# Altium PCB slave.PcbDoc (part 5 of 5)
Units mil, origin at the board's own origin, x right, y up, seen from the top; angles counter-clockwise.
Board outline 6299.21 x 3937.01 mil, 6 copper layers (Top Copper, FUSED_VBAT-, Signal Layer 2, Signal Layer 3, VREG, Bot Copper), stack 65.749 mil thick; 419 components, 272 nets, 1250 pads, 1624 vias.
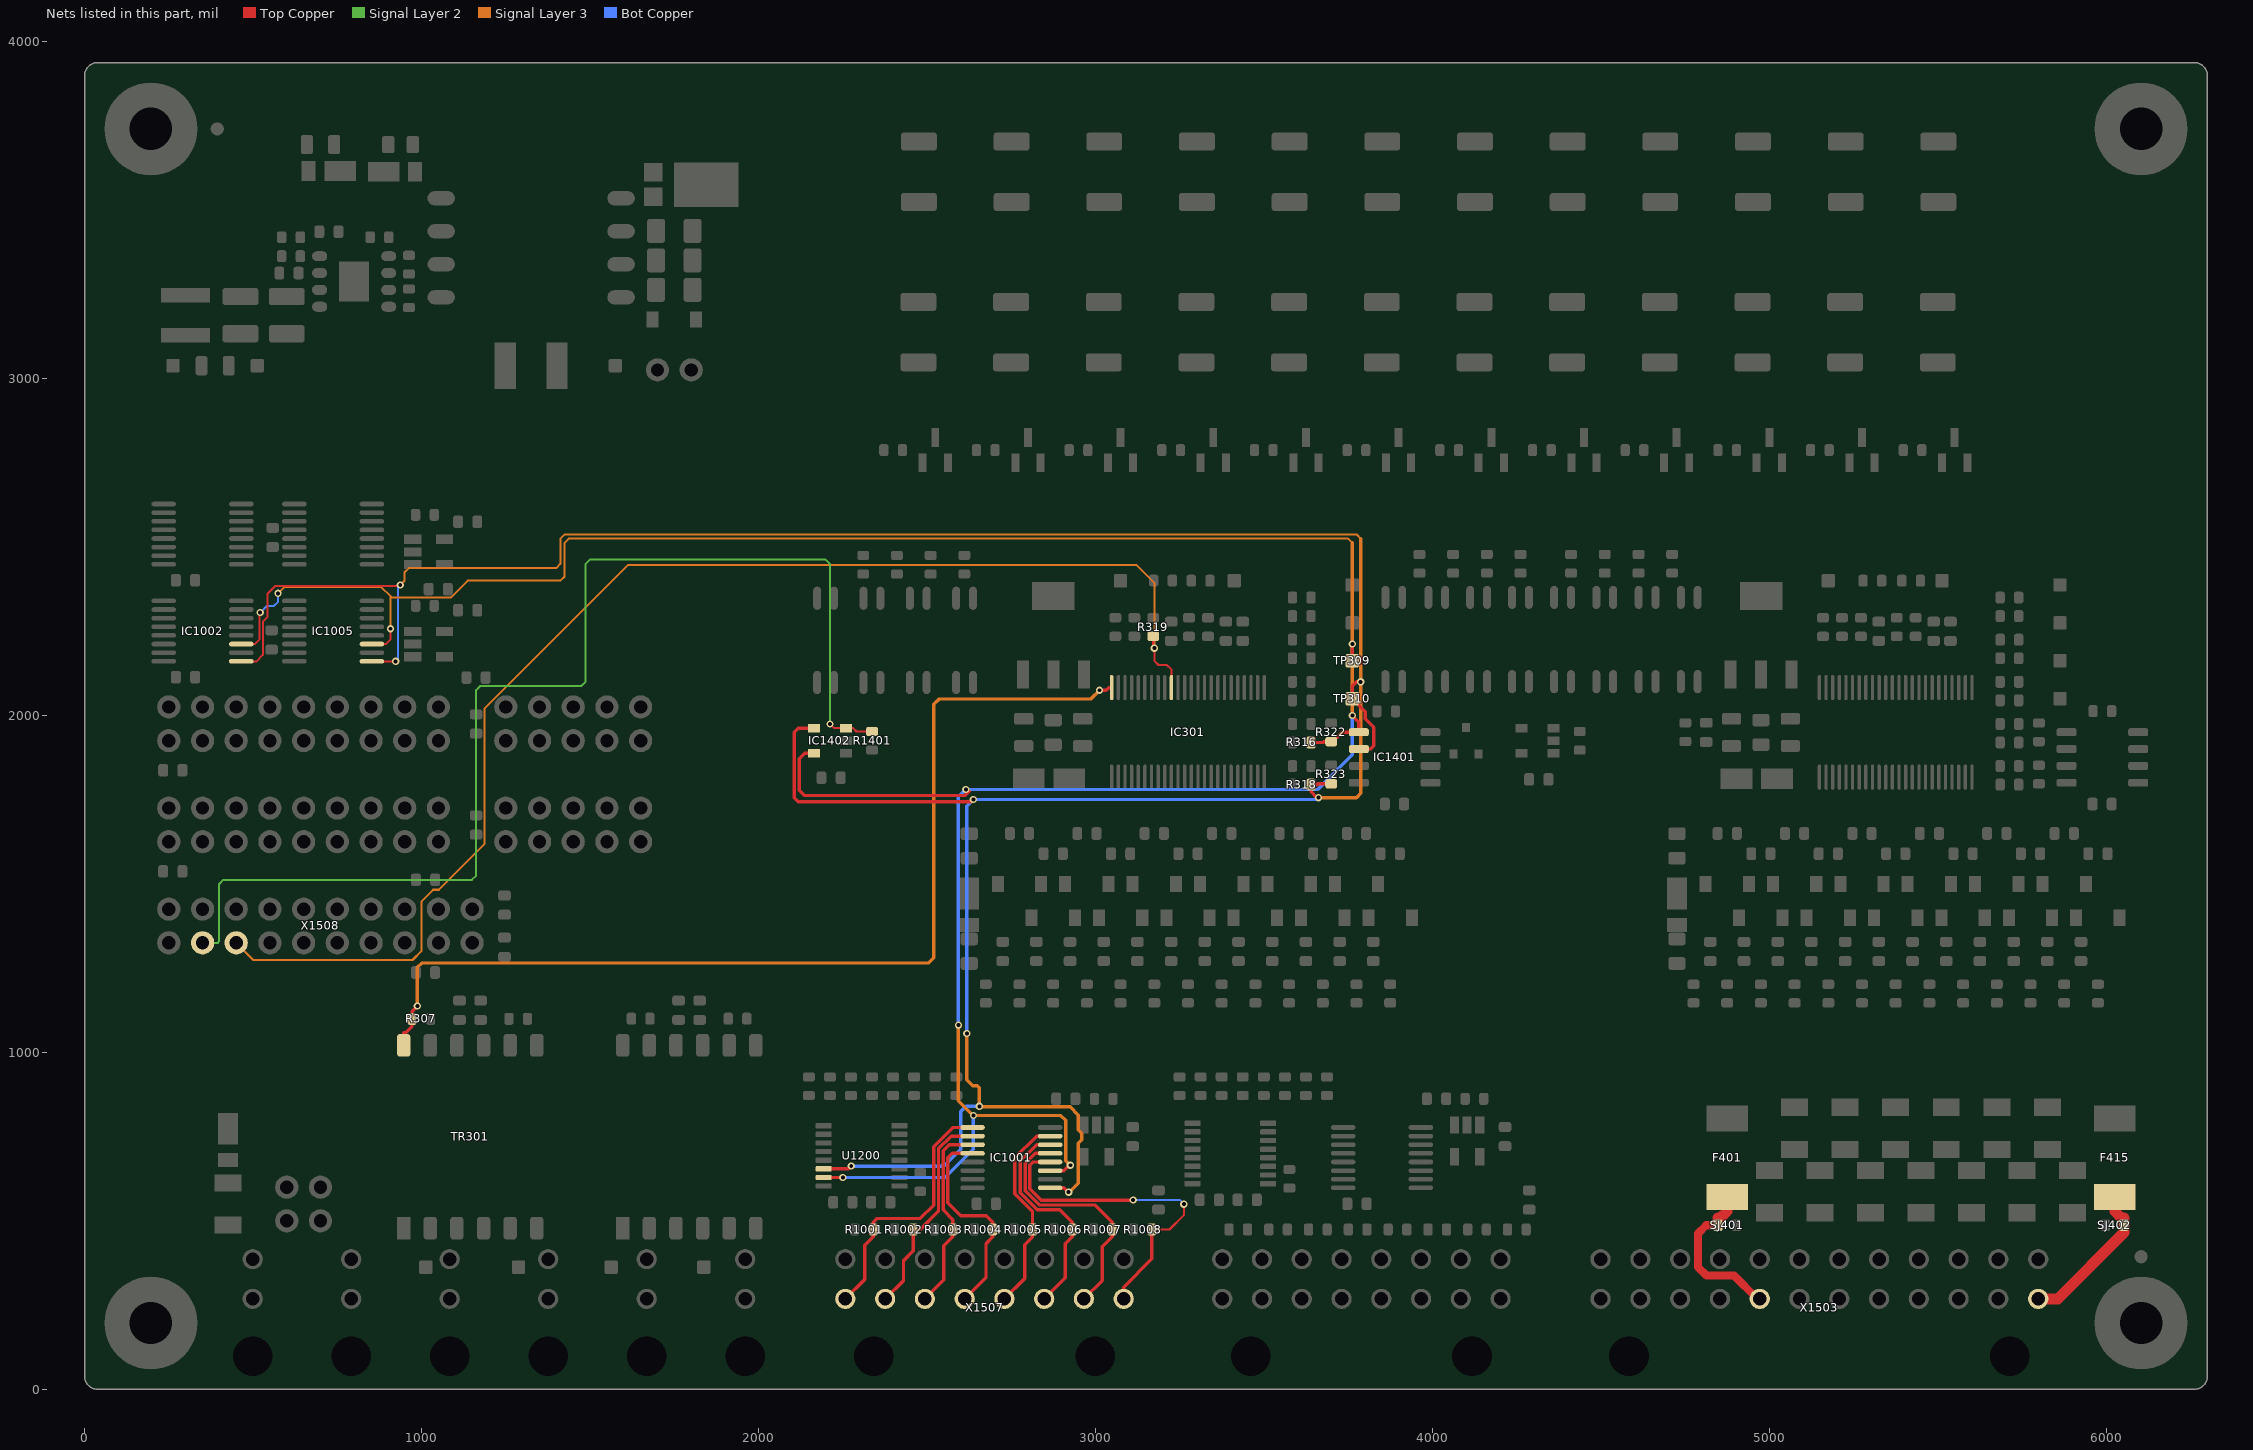
[diagram p9: the nets of this part, all layers, seen from the top]

## Via types
v1: diameter 21.65, hole 11.81, Top Copper to Bot Copper, tented both sides, 1591 vias
v2: diameter 29.53, hole 19.68, Top Copper to Bot Copper, tented both sides, 16 vias
v3: diameter 35.43, hole 23.62, Top Copper to Bot Copper, 13 vias
v4: diameter 25.59, hole 15.75, Top Copper to Bot Copper, tented both sides, 4 vias

## Nets (pads, with @x,y where several pads share a name; then routed paths per layer and width w, separated by ;. In a path a pad name is that pad's centre, name@x,y a point inside that pad or via, vN(x,y) a via of type N, cw(c..) or ccw(c..) an arc to the next point about the centre after c; other vN are vias at no path point) (continued)
SECONDARY-OUT_P1: IC301.48 R307.1 TR301.12 | length 3096
  Top Copper w10: TR301.12@946.9,1020.85 946.9,1058.6 952.45,1058.6 971.65,1077.79 R307.1@971.65,1099.51 971.65,1121.65 v1(987.5,1137.5) ; v1(3011.71,2074.51) 3031.04,2074.51 3038.91,2082.38 IC301.48@3047.83,2082.38
  Signal Layer 3 w10: v1(987.5,1137.5) 987.5,1252.51 1000,1265.01 2503.71,1265.01 2519.71,1281.01 2519.71,2032.51 2535.71,2048.51 2985.71,2048.51 v1(3011.71,2074.51)
SECONDARY-SCL_1: IC1001.1 IC1002.1 IC1005.1 IC1401.6 IC1402.4 R318.1 R323.1 TP310.1 U1200.14 | length 9208.6
  Top Copper w6: IC1002.1@465.16,2160.43 510.43,2160.43 529.3,2179.3 529.3,2278.3 543,2292 543,2361.67 565.17,2383.84 933.54,2383.84 v1(936.71,2387.01) ; IC1005.1@852.66,2160.43 v1(922.93,2160.43)
  Top Copper w10: IC1402.4@2164.47,1961.91 2117.86,1961.91 2105.46,1949.51 2105.46,1755.76 2117.96,1743.26 2630.76,1743.26 2637.5,1750 2637.2,1750 v1(2637.35,1750.15) ; U1200.14@2193.26,654.37 2266.87,654.37 v1(2275,662.5) ; IC1001.1@2865.16,597.93 2905.57,597.93 2918.51,585 v1(2920,585) ; v1(3661.71,1755.76) 3656.3,1755.76 3639.27,1772.79 R318.1@3639.27,1794.51 3657.05,1794.51 3659.49,1796.95 R323.1@3699.21,1796.95 ; IC1401.6@3781.2,1900 3814.73,1900 3825,1910.27 3825,1965 3800,1990 3800,2011.22 TP310.1@3761.71,2049.51 3761.71,2087.01 3774.21,2099.51 v1(3786.71,2099.51)
  Signal Layer 3 w6: v1(936.71,2387.01) 949.21,2399.51 949.21,2424.51 961.71,2437.01 1399.21,2437.01 1411.71,2449.51 1411.71,2524.51 1424.21,2537.01 3774.21,2537.01 3786.71,2524.51
  Signal Layer 3 w10: v1(2617.96,1055.76) 2617.96,918.34 2635.13,901.17 2648.83,901.17 2655,895 v1(2655,840) 2656.82,838.18 2924.32,838.18 2948.83,813.67 2948.83,769.87 2958.83,759.87 2958.83,740.13 2948.83,730.13 2948.83,611.33 2922.5,585 v1(2920,585) ; v1(3661.71,1755.76) 3774.21,1755.76 3786.71,1768.26 v1(3786.71,2099.51) 3786.71,2524.51
  Bot Copper w6: v1(922.93,2160.43) 929.83,2167.33 929.83,2380.13 v1(936.71,2387.01)
  Bot Copper w10: v1(2275,662.5) 2550,662.5 2600,712.5 2600,824.51 2615.49,840 v1(2655,840) ; v1(2617.96,1055.76) 2617.96,1730.76 v1(2637.35,1750.15) 3652.95,1750.15 3658.56,1755.76 v1(3661.71,1755.76)
SECONDARY-SDA_1: IC1001.3 IC1002.3 IC1005.3 IC1401.5 IC1402.5 R316.1 R322.1 TP309.1 U1200.15 | length 8582.4
  Top Copper w6: IC1002.3@465.16,2211.61 505.57,2211.61 519.3,2225.34 519.3,2303.3 v1(521,2305) ; IC1005.3@852.66,2211.61 893.82,2211.61 908,2225.79 v1(908,2257) v1@903.17,2252.17
  Top Copper w10: IC1402.5@2164.47,1887.11 2136.81,1887.11 2121.17,1871.47 2121.17,1777.55 2136.71,1762.01 2612.01,1762.01 2625,1775 2620,1775 v1(2615,1780) ; U1200.15@2193.26,628.78 v1(2250,628.78) ; IC1001.3@2865.16,649.11 2905.57,649.11 2921.46,665 v1(2925,665) ; R316.1@3639.27,1919.51 3675.05,1919.51 3677.49,1921.95 R322.1@3699.21,1921.95 3703.15,1921.95 3731.2,1950 IC1401.5@3781.2,1950 3781.2,1980.02 v1(3761.71,1999.51) ; TP309.1@3761.71,2162.01 v1(3761.71,2212.01)
  Signal Layer 3 w6: v1(574.21,2362.01) 592.96,2380.76 880.46,2380.76 908,2353.22 ; v1(908,2257) 908,2353.22 ; 3761.71,2512.01 3749.21,2524.51 1436.71,2524.51 1424.21,2512.01 1424.21,2412.01 1411.71,2399.51 1136.71,2399.51 1086.71,2349.51 911.71,2349.51 908,2353.22
  Signal Layer 3 w10: v1(2592.96,1080.76) 2592.96,857.04 v1(2637.5,812.5) 2896.71,812.5 2911.17,798.04 2911.17,678.83 v1(2925,665) ; v1(3761.71,1999.51) v1(3761.71,2212.01) 3761.71,2512.01
  Bot Copper w6: v1(521,2305) 540.51,2324.51 561.71,2324.51 574.21,2337.01 v1(574.21,2362.01)
  Bot Copper w10: v1(2250,628.78) 2553.78,628.78 2637.5,712.5 v1(2637.5,812.5) ; v1(2592.96,1080.76) 2592.96,1757.96 v1(2615,1780) 3658.7,1780 3761.71,1883.01 v1(3761.71,1999.51)
SECONDARY-T-SENSOR_0: IC1001.4 R1008.1 X1507.1 | length 995.9
  Top Copper w6: R1008.1@3167.19,474.31 3219.31,474.31 3261.71,516.71 v1(3261.71,549.51)
  Top Copper w10: IC1001.4@2865.16,674.7 2814.7,674.7 2805,665 2805,595 2838.83,561.17 3110.87,561.17 v1(3111.71,562.01) ; X1507.1@3083.47,268.43 3083.47,303.47 3167.19,387.19 R1008.1@3167.19,474.31
  Bot Copper w6: v1(3111.71,562.01) 3249.21,562.01 v1(3261.71,549.51)
SECONDARY-T-SENSOR_1: IC1001.5 R1007.1 X1507.2 | length 726.9
  Top Copper w10: IC1001.5@2865.16,700.3 2820.5,700.3 2791,670.8 2791,589.2 2833.03,547.17 2997.93,547.17 3049.08,496.03 R1007.1@3049.08,474.31 3049.08,452.59 3020,423.51 3020,322.95 X1507.2@2965.48,268.43
SECONDARY-T-SENSOR_2: IC1001.6 R1006.1 X1507.3 | length 655
  Top Copper w10: X1507.3@2847.49,268.43 2910,330.94 2910,431.62 2930.97,452.59 R1006.1@2930.97,474.31 2930.97,496.03 2893.82,533.17 2827.23,533.17 2777,583.4 2777,678.15 2824.74,725.89 IC1001.6@2865.16,725.89
SECONDARY-T-SENSOR_3: IC1001.7 R1005.1 X1507.4 | length 606.7
  Top Copper w10: X1507.4@2729.5,268.43 2790,328.93 2790,429.73 2812.86,452.59 R1005.1@2812.86,474.31 2812.86,527.14 2760,580 2760,686.74 2824.74,751.48 IC1001.7@2865.16,751.48
SECONDARY-T-SENSOR_4: IC1001.12 R1004.1 X1507.5 | length 631
  Top Copper w10: X1507.5@2611.46,268.43 2675,331.97 2675,432.84 2694.75,452.59 R1004.1@2694.75,474.31 2694.75,496.03 2675.78,515 2600,515 2561.71,553.29 2561.71,686.71 2575.3,700.3 IC1001.12@2634.84,700.3
SECONDARY-T-SENSOR_5: IC1001.11 R1003.1 X1507.6 | length 580.5
  Top Copper w10: X1507.6@2493.47,268.43 2550,324.96 2550,425.96 2576.63,452.59 R1003.1@2576.63,474.31 2576.63,503.37 2547.71,532.29 2547.71,707.91 2565.68,725.89 IC1001.11@2634.84,725.89
SECONDARY-T-SENSOR_6: IC1001.10 R1002.1 X1507.7 | length 639.8
  Top Copper w10: X1507.7@2375.48,268.43 2430,322.95 2430,382.15 2458.52,410.67 R1002.1@2458.52,474.31 2479.31,474.31 2533.71,528.71 2533.71,713.71 2571.48,751.48 IC1001.10@2634.84,751.48
SECONDARY-T-SENSOR_7: IC1001.9 R1001.1 X1507.8 | length 774
  Top Copper w10: X1507.8@2257.49,268.43 2315,325.94 2315,427.18 2340.41,452.59 R1001.1@2340.41,474.31 2340.41,496.03 2351.51,507.12 2479.98,507.12 2519.71,546.85 2519.71,719.71 2577.07,777.07 IC1001.9@2634.84,777.07
SECONDARY-TEMP-ALERT: IC1402.3 R1401.1 X1508.18 | length 3574.4
  Top Copper w6: v1(2211.71,1974.51) 2224.31,1961.91 IC1402.3@2258.95,1961.91 2280.67,1961.91 2290.51,1952.07 R1401.1@2336.71,1952.07
  Signal Layer 2 w6: X1508.18@350,1325 394.41,1324.41 399.21,1329.21 399.21,1499.51 411.71,1512.01 1149.21,1512.01 1161.71,1524.51 1161.71,2074.51 1174.21,2087.01 1474.21,2087.01 1486.71,2099.51 1486.71,2449.51 1499.21,2462.01 2199.21,2462.01 2211.71,2449.51 v1(2211.71,1974.51)
SECONDARY-WDT: IC301.39 R319.1 X1508.16 | length 3951.2
  Top Copper w6: R319.1@3171.09,2234.45 3171.09,2202.63 v1(3174.21,2199.51) 3174.21,2162.01 3186.71,2149.51 3211.71,2149.51 3225,2136.22 IC301.39@3225,2088.68
  Signal Layer 3 w6: X1508.16@450,1325 501,1274 973,1274 1000,1301 1000,1448 1034.52,1482.52 1050.98,1482.52 1187.38,1618.91 1187.38,2020.99 1613.21,2446.83 3120.26,2446.83 3174.21,2392.88 v1(3174.21,2199.51)
VBAT+: F401.1 SJ401.1 X1503.8 | length 477.6
  Top Copper w24: SJ401.1@4844.21,487.01 4812.01,487.01 4787.5,462.5 4787.5,362.5 4812.5,337.5 4894.78,337.5 X1503.8@4960.63,271.65
  Top Copper w32: SJ401.1@4846.65,487.01 4846.65,508.73 4854.65,508.73 4874.21,528.29 F401.1@4874.21,570.87
VBAT-: F415.1 SJ402.2 X1503.1 | length 457.7
  Top Copper w32: X1503.1@5797.29,268.43 5854.91,268.43 6051.77,465.29 SJ402.2@6051.77,487.01 6051.77,508.73 6043.77,508.73 6024.21,528.29 F415.1@6024.21,570.87
pads on no net: Designator12.0 Designator13.0 Designator26.Hole_3.2 Designator27.Hole_3.2 Designator28.Hole_3.2 Designator29.Hole_3.2 IC201.43 IC201.44 IC301.3 IC301.5 IC301.7 IC301.9 IC301.11 IC301.13 IC301.15 IC301.17 IC301.19 IC301.21 IC301.23 IC301.25 IC301.43 IC301.44 IC1301.1 IC1301.2 IC1401.1 IC1401.2 TR201.2 TR201.5 TR301.2 TR301.5 U1100.13 U1200.13 X1503. X1503.9 X1503.10 X1503.11 X1503.12 X1503.20 X1503.21 X1503.22 X1503.23 X1503.24 X1506. X1507. X1509. X1510. X1511. X1512. X1513. X1514.

## Polygon pours and split planes (outlines as drawn)
no net on Top Overlay "Polygon_28_NoNet" (solid): 61 vertices, not listed, extent 1377.23,2352.82 1464.96,2503.11
no net on Top Overlay "Polygon_27_NoNet" (solid): 60 vertices, not listed, extent 1454.88,2383.2 1534.47,2470.88
no net on Top Overlay "Polygon_26_NoNet" (solid): 53 vertices, not listed, extent 1534.14,2383.36 1621.93,2470.89
no net on Top Overlay "Polygon_25_NoNet" (solid): 69 vertices, not listed, extent 1655.17,2384.31 1725.24,2483.2
no net on Top Overlay "Polygon_24_NoNet" (solid): 33 vertices, not listed, extent 1745.53,2383.73 1832.92,2483.77
no net on Top Overlay "Polygon_23_NoNet" (solid): 75 vertices, not listed, extent 1852.77,2383.48 1921.57,2484.03
no net on Top Overlay "Polygon_22_NoNet" (solid): 105 vertices, not listed, extent 1327.42,2324.61 2002.39,2542.57
no net on Top Overlay "Polygon_10_NoNet" (solid, pour order 1): 33 vertices, not listed, extent 73.49,646.27 94.43,667.08
no net on Top Overlay "Polygon_9_NoNet" (solid, pour order 6): 17 vertices, not listed, extent 97.24,637 166.43,676.35
no net on Top Overlay "Polygon_8_NoNet" (solid, pour order 16): 133 vertices, not listed, extent 48.3,585.06 191.57,728.28
no net on Top Overlay "Polygon_7_NoNet" (solid, pour order 0): 33 vertices, not listed, extent 73.49,646.27 94.43,667.08
no net on Top Overlay "Polygon_6_NoNet" (solid, pour order 7): 17 vertices, not listed, extent 97.24,637 166.43,676.35
no net on Top Overlay "Polygon_5_NoNet" (solid, pour order 15): 133 vertices, not listed, extent 48.3,585.06 191.57,728.28
no net on Top Overlay "Polygon_4_NoNet" (solid, pour order 2): 59 vertices, not listed, extent 97.37,492.21 142.57,533.3
no net on Top Overlay "Polygon_3_NoNet" (solid, pour order 3): 58 vertices, not listed, extent 97.37,451.07 142.57,492.15
no net on Top Overlay "Polygon_2_NoNet" (solid, pour order 14): 132 vertices, not listed, extent 48.31,420.47 191.58,563.69
no net on Top Overlay "Polygon_1_NoNet" (solid, pour order 125): 6254.21,2856.51 5968.21,2856.51 5968.21,3550.51 6254.21,3550.51
no net on Bottom Overlay "Polygon_31_NoNet" (solid, pour order 22): 6136.55,2298.17 5966.45,2298.17 5966.4,2333.09 6040.39,2333.09 6040.49,2390.26 6068.19,2390.26 6068.24,2333.09 6108.7,2333.17 6108.76,2393.12 6136.51,2393.07
no net on Bottom Overlay "Polygon_30_NoNet" (solid, pour order 13): 23 vertices, not listed, extent 5966.36,2414.97 6095.42,2489.33
no net on Bottom Overlay "Polygon_29_NoNet" (solid, pour order 9): 32 vertices, not listed, extent 5963.58,2497.55 6043.39,2555.36
no net on Bottom Overlay "Polygon_28_NoNet" (solid, pour order 17): 49 vertices, not listed, extent 5964.51,2510.94 6095.21,2611.03
no net on Bottom Overlay "Polygon_27_NoNet" (solid, pour order 23): 41 vertices, not listed, extent 5963.63,2634.66 6092.45,2750.16
no net on Bottom Overlay "Polygon_26_NoNet" (solid, pour order 24): 44 vertices, not listed, extent 5966.35,2782.31 6095.27,2897.45
no net on Bottom Overlay "Polygon_25_NoNet" (solid, pour order 28): 43 vertices, not listed, extent 5966.4,2929.45 6148.84,3044.86
no net on Bottom Overlay "Polygon_24_NoNet" (solid, pour order 27): 75 vertices, not listed, extent 5963.61,3063.89 6095.54,3195.48
no net on Bottom Overlay "Polygon_23_NoNet" (solid, pour order 21): 35 vertices, not listed, extent 5966.3,3202.25 6151.83,3290.62
no net on Bottom Overlay "Polygon_22_NoNet" (solid, pour order 25): 68 vertices, not listed, extent 5963.38,3298.79 6094.66,3416.6
no net on Bottom Overlay "Polygon_21_NoNet" (solid, pour order 18): 25 vertices, not listed, extent 5963.03,3434.8 6098.92,3517.02
no net on Bottom Overlay "Polygon_20_NoNet" (solid, pour order 5): 5881.74,3310.39 5881.74,3328.35 5796.07,3328.3 5796.12,3310.34
no net on Bottom Overlay "Polygon_19_NoNet" (solid, pour order 4): 5881.74,3348.98 5881.74,3366.3 5796.07,3366.3 5796.17,3349.03
no net on Bottom Overlay "Polygon_18_NoNet" (solid, pour order 8): 60 vertices, not listed, extent 5794.7,3383.92 5883.16,3438.01
no net on Bottom Overlay "Polygon_17_NoNet" (solid, pour order 10): 56 vertices, not listed, extent 5796.11,3454.28 5881.95,3513.33
no net on Bottom Overlay "Polygon_16_NoNet" (solid, pour order 29): 6220.6,1962.32 6149.43,1962.71 6150.64,1985.47 6153.99,2019.12 6160.11,2062.01 6164.64,2086.02 6170.35,2111.41 6179.62,2145.84 6189.28,2175.56 6199.93,2203.31 6204.99,2215.03 6220.79,2215.03
no net on Bottom Overlay "Polygon_15_NoNet" (solid, pour order 12): 35 vertices, not listed, extent 6106.99,1962.42 6199.89,2214.93
no net on Bottom Overlay "Polygon_14_NoNet" (solid, pour order 19): 35 vertices, not listed, extent 6039.77,1962.62 6176.6,2214.83
no net on Bottom Overlay "Polygon_13_NoNet" (solid, pour order 20): 31 vertices, not listed, extent 5966.49,1962.62 6145.7,2214.94
no net on Bottom Overlay "Polygon_12_NoNet" (solid, pour order 11): 50 vertices, not listed, extent 5966.41,1985.18 6115.66,2215
no net on Bottom Overlay "Polygon_11_NoNet" (solid, pour order 26): 24 vertices, not listed, extent 5966.46,2051.8 6090.7,2214.92
+5.0V_VREG_0 on VREG "Polygon_1_Net_+5.0V_VREG_0" (solid, remove dead copper, pour order 130): 33 vertices, not listed, extent 196.21,-3 6302.21,2798.28
+5.0V_VREG_1 on VREG "Polygon_1_Net_+5.0V_VREG_1" (solid, remove dead copper, pour order 134): 34 vertices, not listed, extent 183.56,-3 3978,2540.5
EXT_DC_IN+ on Top Copper "Polygon_1_Net_EXT_DC_IN+" (solid, remove dead copper, pour order 133): 209.5,653 840.5,653 840.5,209.5 459.5,209.5 459.5,447 209.5,447
NetC201_1 on Top Copper "Polygon_1_Net_N$7" (solid, remove dead copper, pour order 122): 5021.75,1959.5 5021.75,2147 5128,2147 5128,2590.5 4822,2590.5 4822,2147 4928.25,2147 4928.25,1959.5
NetC301_1 on Top Copper "Polygon_1_Net_N$25" (solid, remove dead copper, pour order 121): 2921.75,1959.5 2921.75,2147 3028,2147 3028,2590.5 2722,2590.5 2722,2147 2828.25,2147 2828.25,1959.5
NetD1603_1 on Top Copper "Polygon_1_Net_N$80" (solid, remove dead copper, pour order 118): 1284.25,3184.5 1284.25,3728 953.25,3728 953.25,3578.25 1128.25,3578.25 1128.25,3371.75 1009.5,3371.75 1009.5,3240.5 878.25,3240.5 878.25,3184.5
EXT_DC_ISO+ on Top Copper "Polygon_3_Net_EXT_DC_ISO+" (solid, remove dead copper, pour order 40): 4928.25,1940.5 5115.5,1940.5 5115.5,1759.5 4928.25,1759.5
EXT_DC_ISO+ on Top Copper "Polygon_5_Net_EXT_DC_ISO+" (solid, remove dead copper, pour order 38): 2828.25,1940.5 2921.75,1940.5 2921.75,1878 3015.5,1878 3015.5,1759.5 2828.25,1759.5
LTC-V+_1 on Top Copper "Polygon_1_Net_N$24" (solid, remove dead copper, pour order 36): 2584.5,1622 2703,1622 2703,1684.5 2803,1684.5 2803,1740.5 2659.5,1740.5 2659.5,1728 2584.5,1728
EXT_DC_ISO+ on Top Copper "Polygon_2_Net_EXT_DC_ISO+" (solid, remove dead copper, pour order 35): 4778,1603 4672,1603 4672,1440.75 4778,1440.75
LTC-V+_0 on Top Copper "Polygon_1_Net_N$17" (solid, remove dead copper, pour order 37): 4672,1622 4803,1622 4803,1684.5 4903,1684.5 4903,1740.5 4772,1740.5 4772,1728 4672,1728
NetC1602_2 on Top Copper "Polygon_1_Net_N$1254" (solid, remove dead copper, pour order 123): 19 vertices, not listed, extent 222,3215.75 1109.25,3728
FUSED_VBAT- on Top Copper "Polygon_2_Net_FUSED_VBAT-" (solid, pour order 93): 1728,3484.25 1728,2959.5 1365.75,2959.5 1365.75,3121.75 1540.75,3121.75 1540.75,3271.75 1653.25,3271.75 1653.25,3484.25
NetD1604_2 on Top Copper "Polygon_1_Net_N$84" (solid, remove dead copper, pour order 41): 1721.75,3728 1721.75,3503.25 1540.75,3503.25 1540.75,3728
EXT_DC_ISO+ on Top Copper "Polygon_1_Net_EXT_DC_ISO+" (solid, pour order 119): 1953,3728 1953,2959.5 1772,2959.5 1772,3503.25 1747,3503.25 1747,3728
EXT_DC_IN- on Top Copper "Polygon_1_Net_EXT_DC_IN-" (solid, remove dead copper, pour order 126): 734.5,3240.5 734.5,3446.75 865.5,3446.75 865.5,3121.75 1284.25,3121.75 1284.25,2959.5 397,2959.5 397,3165.5 672,3165.5 672,3240.5
NetD1602_1 on Top Copper "Polygon_1_Net_N$92" (solid, remove dead copper, pour order 33): 703.25,3646.75 703.25,3578.25 934.25,3578.25 934.25,3646.75
NetC1601_2 on Top Copper "Polygon_2_Net_N$91" (solid, remove dead copper, pour order 132): 209.5,722 840.5,722 840.5,865.5 209.5,865.5
NetC1601_2 on Top Copper "Polygon_1_Net_N$91" (solid, remove dead copper, pour order 39): 378,2959.5 378,3165.5 222,3165.5 222,2959.5
NetD1601_1 on Top Copper "Polygon_1_Net_N$89" (solid, remove dead copper, pour order 43): 209.5,572 540.5,572 540.5,715.5 209.5,715.5
NetC1606_1 on Top Copper "Polygon_1_Net_N$87" (solid, remove dead copper, pour order 30): 715.75,3728 715.75,3659.5 921.75,3659.5 921.75,3728
EXT_DC_ISO+ on Top Copper "Polygon_4_Net_EXT_DC_ISO+" (solid, remove dead copper, pour order 34): 2678,1603 2572,1603 2572,1440.75 2678,1440.75
NetTR1601_6 on Top Copper "Polygon_1_Net_N$74" (solid, remove dead copper, pour order 31): 1640.5,3465.5 1640.5,3309.5 1540.75,3309.5 1540.75,3465.5
FUSED_CELL_10+ on Top Copper "Polygon_1_Net_FUSED_CELL_10+" (solid, remove dead copper, pour order 114): 2346.21,3159.01 2346.21,3590.01 2602.21,3590.01 2602.21,3159.01
FUSED_CELL_9+ on Top Copper "Polygon_1_Net_FUSED_CELL_9+" (solid, remove dead copper, pour order 115): 2621.21,3159.01 2621.21,3590.01 2877.21,3590.01 2877.21,3159.01
FUSED_CELL_8+ on Top Copper "Polygon_1_Net_FUSED_CELL_8+" (solid, remove dead copper, pour order 117): 2896.21,3159.01 2896.21,3590.01 3152.21,3590.01 3152.21,3159.01
FUSED_CELL_7+ on Top Copper "Polygon_1_Net_FUSED_CELL_7+" (solid, remove dead copper, pour order 116): 3171.21,3159.01 3171.21,3590.01 3427.21,3590.01 3427.21,3159.01
FUSED_CELL_6+ on Top Copper "Polygon_1_Net_FUSED_CELL_6+" (solid, remove dead copper, pour order 113): 3446.21,3159.01 3446.21,3590.01 3702.21,3590.01 3702.21,3159.01
FUSED_CELL_5+ on Top Copper "Polygon_1_Net_FUSED_CELL_5+" (solid, remove dead copper, pour order 108): 3721.21,3159.01 3721.21,3590.01 3977.21,3590.01 3977.21,3159.01
FUSED_CELL_4+ on Top Copper "Polygon_1_Net_FUSED_CELL_4+" (solid, remove dead copper, pour order 107): 3996.21,3159.01 3996.21,3590.01 4252.21,3590.01 4252.21,3159.01
FUSED_CELL_3+ on Top Copper "Polygon_1_Net_FUSED_CELL_3+" (solid, remove dead copper, pour order 106): 4271.21,3159.01 4271.21,3590.01 4527.21,3590.01 4527.21,3159.01
FUSED_CELL_2+ on Top Copper "Polygon_1_Net_FUSED_CELL_2+" (solid, remove dead copper, pour order 109): 4546.21,3159.01 4546.21,3590.01 4802.21,3590.01 4802.21,3159.01
FUSED_CELL_1+ on Top Copper "Polygon_1_Net_FUSED_CELL_1+" (solid, remove dead copper, pour order 112): 4821.21,3159.01 4821.21,3590.01 5077.21,3590.01 5077.21,3159.01
FUSED_CELL_0+ on Top Copper "Polygon_1_Net_FUSED_CELL_0+" (solid, remove dead copper, pour order 111): 5096.21,3159.01 5096.21,3590.01 5352.21,3590.01 5352.21,3159.01
FUSED_CELL_0- on Top Copper "Polygon_1_Net_FUSED_CELL_0-" (solid, remove dead copper, pour order 110): 5627.21,3590.01 5627.21,3159.01 5371.21,3159.01 5371.21,3590.01
CELL0_FEEDBACK+ on Top Copper "Polygon_3_Net_CELL0_FEEDBACK+" (solid, remove dead copper, pour order 82): 5627.21,3634.01 5371.21,3634.01 5371.21,3915.01 5627.21,3915.01
CELL0_FEEDBACK+ on Top Copper "Polygon_1_Net_CELL0_FEEDBACK+" (solid, remove dead copper, pour order 83): 5627.21,2834.01 5371.21,2834.01 5371.21,3115.01 5627.21,3115.01
CELL11_FEEDBACK+ on Top Copper "Polygon_3_Net_CELL11_FEEDBACK+" (solid, remove dead copper, pour order 84): 2346.21,3634.01 2346.21,3915.01 2602.21,3915.01 2602.21,3634.01
CELL11_FEEDBACK+ on Top Copper "Polygon_1_Net_CELL11_FEEDBACK+" (solid, remove dead copper, pour order 79): 2346.21,2834.01 2346.21,3115.01 2602.21,3115.01 2602.21,2834.01
CELL10_FEEDBACK+ on Top Copper "Polygon_3_Net_CELL10_FEEDBACK+" (solid, remove dead copper, pour order 80): 2621.21,3634.01 2621.21,3915.01 2877.21,3915.01 2877.21,3634.01
CELL10_FEEDBACK+ on Top Copper "Polygon_1_Net_CELL10_FEEDBACK+" (solid, remove dead copper, pour order 81): 2621.21,2834.01 2621.21,3115.01 2877.21,3115.01 2877.21,2834.01
CELL8_FEEDBACK+ on Top Copper "Polygon_3_Net_CELL8_FEEDBACK+" (solid, remove dead copper, pour order 85): 3171.21,3634.01 3171.21,3915.01 3427.21,3915.01 3427.21,3634.01
CELL8_FEEDBACK+ on Top Copper "Polygon_1_Net_CELL8_FEEDBACK+" (solid, remove dead copper, pour order 89): 3171.21,2834.01 3171.21,3115.01 3427.21,3115.01 3427.21,2834.01
CELL9_FEEDBACK+ on Top Copper "Polygon_3_Net_CELL9_FEEDBACK+" (solid, remove dead copper, pour order 90): 2896.21,3634.01 2896.21,3915.01 3152.21,3915.01 3152.21,3634.01
CELL9_FEEDBACK+ on Top Copper "Polygon_1_Net_CELL9_FEEDBACK+" (solid, remove dead copper, pour order 91): 2896.21,2834.01 2896.21,3115.01 3152.21,3115.01 3152.21,2834.01
CELL2_FEEDBACK+ on Top Copper "Polygon_3_Net_CELL2_FEEDBACK+" (solid, remove dead copper, pour order 86): 4821.21,3634.01 4821.21,3915.01 5077.21,3915.01 5077.21,3634.01
CELL2_FEEDBACK+ on Top Copper "Polygon_1_Net_CELL2_FEEDBACK+" (solid, remove dead copper, pour order 87): 4821.21,2834.01 4821.21,3115.01 5077.21,3115.01 5077.21,2834.01
CELL3_FEEDBACK+ on Top Copper "Polygon_3_Net_CELL3_FEEDBACK+" (solid, remove dead copper, pour order 88): 4546.21,3634.01 4546.21,3915.01 4802.21,3915.01 4802.21,3634.01
CELL3_FEEDBACK+ on Top Copper "Polygon_1_Net_CELL3_FEEDBACK+" (solid, remove dead copper, pour order 54): 4546.21,2834.01 4546.21,3115.01 4802.21,3115.01 4802.21,2834.01
CELL4_FEEDBACK+ on Top Copper "Polygon_3_Net_CELL4_FEEDBACK+" (solid, remove dead copper, pour order 55): 4271.21,3634.01 4271.21,3915.01 4527.21,3915.01 4527.21,3634.01
CELL4_FEEDBACK+ on Top Copper "Polygon_1_Net_CELL4_FEEDBACK+" (solid, remove dead copper, pour order 52): 4271.21,2834.01 4271.21,3115.01 4527.21,3115.01 4527.21,2834.01
CELL5_FEEDBACK+ on Top Copper "Polygon_3_Net_CELL5_FEEDBACK+" (solid, remove dead copper, pour order 53): 3996.21,3634.01 3996.21,3915.01 4252.21,3915.01 4252.21,3634.01
CELL5_FEEDBACK+ on Top Copper "Polygon_1_Net_CELL5_FEEDBACK+" (solid, remove dead copper, pour order 56): 3996.21,2834.01 3996.21,3115.01 4252.21,3115.01 4252.21,2834.01
CELL1_FEEDBACK+ on Top Copper "Polygon_3_Net_CELL1_FEEDBACK+" (solid, remove dead copper, pour order 59): 5096.21,3634.01 5096.21,3915.01 5352.21,3915.01 5352.21,3634.01
CELL1_FEEDBACK+ on Top Copper "Polygon_1_Net_CELL1_FEEDBACK+" (solid, remove dead copper, pour order 60): 5096.21,2834.01 5096.21,3115.01 5352.21,3115.01 5352.21,2834.01
CELL7_FEEDBACK+ on Top Copper "Polygon_3_Net_CELL7_FEEDBACK+" (solid, remove dead copper, pour order 57): 3446.21,3634.01 3446.21,3915.01 3702.21,3915.01 3702.21,3634.01
CELL7_FEEDBACK+ on Top Copper "Polygon_1_Net_CELL7_FEEDBACK+" (solid, remove dead copper, pour order 58): 3446.21,2834.01 3446.21,3115.01 3702.21,3115.01 3702.21,2834.01
CELL6_FEEDBACK+ on Top Copper "Polygon_3_Net_CELL6_FEEDBACK+" (solid, remove dead copper, pour order 45): 3721.21,3634.01 3721.21,3915.01 3977.21,3915.01 3977.21,3634.01
CELL6_FEEDBACK+ on Top Copper "Polygon_1_Net_CELL6_FEEDBACK+" (solid, remove dead copper, pour order 46): 3721.21,2834.01 3721.21,3115.01 3977.21,3115.01 3977.21,2834.01
EXT_DC_IN- on Bot Copper "Polygon_3_Net_EXT_DC_IN-" (solid, remove dead copper, pour order 124): 840.5,209.5 459.5,209.5 459.5,653 840.5,653
EXT_DC_IN- on Bot Copper "Polygon_2_Net_EXT_DC_IN-" (solid, remove dead copper, pour order 129): 1284.25,2959.5 1284.25,3728 603.25,3728 603.25,3553 422,3553 422,3415.5 222,3415.5 222,2959.5
NetC301_1 on Bot Copper "Polygon_2_Net_N$25" (solid, remove dead copper, pour order 127): 2297,2059.5 3090.5,2059.5 3090.5,2628 2297,2628
EXT_DC_ISO+ on Bot Copper "Polygon_6_Net_EXT_DC_ISO+" (solid, remove dead copper, pour order 120): 1953,3728 1953,2959.5 1772,2959.5 1772,3503.25 1747,3503.25 1747,3728
FUSED_VBAT- on Bot Copper "Polygon_3_Net_FUSED_VBAT-" (solid, remove dead copper, pour order 92): 1728,3484.25 1728,2959.5 1365.75,2959.5 1365.75,3121.75 1540.75,3121.75 1540.75,3271.75 1653.25,3271.75 1653.25,3484.25
CELL11_FEEDBACK+ on Bot Copper "Polygon_1_Net_CELL11_FEEDBACK+1" (solid, pour order 47): 2346.21,3634.01 2346.21,3915.01 2602.21,3915.01 2602.21,3634.01
FUSED_CELL_2+ on Bot Copper "Polygon_1_Net_N$19" (solid, pour order 105): 4546.21,3159.01 4546.21,3590.01 4802.21,3590.01 4802.21,3159.01
FUSED_CELL_3+ on Bot Copper "Polygon_1_Net_N$23" (solid, pour order 104): 4271.21,3159.01 4271.21,3590.01 4527.21,3590.01 4527.21,3159.01
FUSED_CELL_4+ on Bot Copper "Polygon_1_Net_N$21" (solid, pour order 103): 3996.21,3159.01 3996.21,3590.01 4252.21,3590.01 4252.21,3159.01
FUSED_CELL_0- on Bot Copper "Polygon_1_Net_N$4" (solid, pour order 102): 5627.21,3590.01 5627.21,3159.01 5371.21,3159.01 5371.21,3590.01
FUSED_CELL_0+ on Bot Copper "Polygon_1_Net_N$11" (solid, pour order 101): 5096.21,3159.01 5096.21,3590.01 5352.21,3590.01 5352.21,3159.01
FUSED_CELL_1+ on Bot Copper "Polygon_1_Net_N$13" (solid, pour order 100): 4821.21,3159.01 4821.21,3590.01 5077.21,3590.01 5077.21,3159.01
FUSED_CELL_10+ on Bot Copper "Polygon_1_Net_N$27" (solid, pour order 99): 2346.21,3159.01 2346.21,3590.01 2602.21,3590.01 2602.21,3159.01
FUSED_CELL_6+ on Bot Copper "Polygon_1_Net_N$46" (solid, pour order 98): 3446.21,3159.01 3446.21,3590.01 3702.21,3590.01 3702.21,3159.01
FUSED_CELL_5+ on Bot Copper "Polygon_1_Net_N$48" (solid, pour order 97): 3721.21,3159.01 3721.21,3590.01 3977.21,3590.01 3977.21,3159.01
FUSED_CELL_7+ on Bot Copper "Polygon_1_Net_N$43" (solid, pour order 96): 3171.21,3159.01 3171.21,3590.01 3427.21,3590.01 3427.21,3159.01
FUSED_CELL_9+ on Bot Copper "Polygon_1_Net_N$29" (solid, pour order 95): 2621.21,3159.01 2621.21,3590.01 2877.21,3590.01 2877.21,3159.01
FUSED_CELL_8+ on Bot Copper "Polygon_1_Net_N$41" (solid, pour order 94): 2896.21,3159.01 2896.21,3590.01 3152.21,3590.01 3152.21,3159.01
CELL6_FEEDBACK+ on Bot Copper "Polygon_1_Net_CELL6_FEEDBACK+1" (solid, pour order 77): 3721.21,3634.01 3721.21,3915.01 3977.21,3915.01 3977.21,3634.01
CELL5_FEEDBACK+ on Bot Copper "Polygon_1_Net_CELL5_FEEDBACK+1" (solid, pour order 74): 3996.21,3634.01 3996.21,3915.01 4252.21,3915.01 4252.21,3634.01
CELL4_FEEDBACK+ on Bot Copper "Polygon_1_Net_CELL4_FEEDBACK+1" (solid, pour order 73): 4271.21,3634.01 4271.21,3915.01 4527.21,3915.01 4527.21,3634.01
CELL7_FEEDBACK+ on Bot Copper "Polygon_1_Net_CELL7_FEEDBACK+1" (solid, pour order 72): 3446.21,3634.01 3446.21,3915.01 3702.21,3915.01 3702.21,3634.01
CELL1_FEEDBACK+ on Bot Copper "Polygon_1_Net_CELL1_FEEDBACK+1" (solid, pour order 71): 5096.21,3634.01 5096.21,3915.01 5352.21,3915.01 5352.21,3634.01
CELL3_FEEDBACK+ on Bot Copper "Polygon_1_Net_CELL3_FEEDBACK+1" (solid, pour order 61): 4546.21,3634.01 4546.21,3915.01 4802.21,3915.01 4802.21,3634.01
CELL8_FEEDBACK+ on Bot Copper "Polygon_1_Net_CELL8_FEEDBACK+1" (solid, pour order 51): 3171.21,3634.01 3171.21,3915.01 3427.21,3915.01 3427.21,3634.01
CELL10_FEEDBACK+ on Bot Copper "Polygon_1_Net_CELL10_FEEDBACK+1" (solid, pour order 50): 2621.21,3634.01 2621.21,3915.01 2877.21,3915.01 2877.21,3634.01
CELL2_FEEDBACK+ on Bot Copper "Polygon_1_Net_CELL2_FEEDBACK+1" (solid, pour order 49): 4821.21,3634.01 4821.21,3915.01 5077.21,3915.01 5077.21,3634.01
CELL9_FEEDBACK+ on Bot Copper "Polygon_1_Net_CELL9_FEEDBACK+1" (solid, pour order 48): 2896.21,3634.01 2896.21,3915.01 3152.21,3915.01 3152.21,3634.01
CELL0_FEEDBACK+ on Bot Copper "Polygon_1_Net_CELL0_FEEDBACK+1" (solid, pour order 44): 5627.21,3634.01 5371.21,3634.01 5371.21,3915.01 5627.21,3915.01
NetD1604_2 on Bot Copper "Polygon_2_Net_N$84" (solid, remove dead copper, pour order 42): 1721.75,3728 1721.75,3503.25 1540.75,3503.25 1540.75,3728
NetTR1601_6 on Bot Copper "Polygon_2_Net_N$74" (solid, remove dead copper, pour order 32): 1640.5,3465.5 1640.5,3309.5 1540.75,3309.5 1540.75,3465.5
NetC201_1 on Bot Copper "Polygon_2_Net_N$7" (solid, remove dead copper, pour order 128): 5178,2059.5 5178,2628 4384.5,2628 4384.5,2059.5
CELL0_FEEDBACK+ on Bot Copper "Polygon_2_Net_CELL0_FEEDBACK+" (solid, pour order 75): 5627.21,2834.01 5371.21,2834.01 5371.21,3115.01 5627.21,3115.01
CELL11_FEEDBACK+ on Bot Copper "Polygon_2_Net_CELL11_FEEDBACK+" (solid, pour order 76): 2346.21,2834.01 2346.21,3115.01 2602.21,3115.01 2602.21,2834.01
CELL10_FEEDBACK+ on Bot Copper "Polygon_2_Net_CELL10_FEEDBACK+" (solid, pour order 70): 2621.21,2834.01 2621.21,3115.01 2877.21,3115.01 2877.21,2834.01
CELL8_FEEDBACK+ on Bot Copper "Polygon_2_Net_CELL8_FEEDBACK+" (solid, pour order 62): 3171.21,2834.01 3171.21,3115.01 3427.21,3115.01 3427.21,2834.01
CELL9_FEEDBACK+ on Bot Copper "Polygon_2_Net_CELL9_FEEDBACK+" (solid, pour order 63): 2896.21,2834.01 2896.21,3115.01 3152.21,3115.01 3152.21,2834.01
CELL2_FEEDBACK+ on Bot Copper "Polygon_2_Net_CELL2_FEEDBACK+" (solid, pour order 68): 4821.21,2834.01 4821.21,3115.01 5077.21,3115.01 5077.21,2834.01
CELL3_FEEDBACK+ on Bot Copper "Polygon_2_Net_CELL3_FEEDBACK+" (solid, pour order 66): 4546.21,2834.01 4546.21,3115.01 4802.21,3115.01 4802.21,2834.01
CELL4_FEEDBACK+ on Bot Copper "Polygon_2_Net_CELL4_FEEDBACK+" (solid, pour order 67): 4271.21,2834.01 4271.21,3115.01 4527.21,3115.01 4527.21,2834.01
CELL5_FEEDBACK+ on Bot Copper "Polygon_2_Net_CELL5_FEEDBACK+" (solid, pour order 69): 3996.21,2834.01 3996.21,3115.01 4252.21,3115.01 4252.21,2834.01
CELL1_FEEDBACK+ on Bot Copper "Polygon_2_Net_CELL1_FEEDBACK+" (solid, pour order 65): 5096.21,2834.01 5096.21,3115.01 5352.21,3115.01 5352.21,2834.01
CELL7_FEEDBACK+ on Bot Copper "Polygon_2_Net_CELL7_FEEDBACK+" (solid, pour order 64): 3446.21,2834.01 3446.21,3115.01 3702.21,3115.01 3702.21,2834.01
CELL6_FEEDBACK+ on Bot Copper "Polygon_2_Net_CELL6_FEEDBACK+" (solid, pour order 78): 3721.21,2834.01 3721.21,3115.01 3977.21,3115.01 3977.21,2834.01
NetC1601_2 on Signal Layer 2 "Signal Layer 2-NetC1601_2" (solid, pour order 330): 221.5,3165 378,3165 378,2959 222.5,2959
FUSED_CELL_10+ on Signal Layer 2 "FUSED_CELL_10+_L03_P182" (solid, pour order 182): 2346,3531.24 2347,3530.24 2601,3530.24 2601,3406.27 2600.03,3407.24 2346,3407.24
FUSED_CELL_9+ on Signal Layer 2 "FUSED_CELL_9+_L03_P180" (solid, pour order 180): 2622,3531.24 2623,3530.24 2877,3530.24 2877,3406.27 2876.03,3407.24 2622,3407.24
FUSED_CELL_8+ on Signal Layer 2 "FUSED_CELL_8+_L03_P178" (solid, pour order 178): 2898,3531.24 2899,3530.24 3153,3530.24 3153,3406.27 3152.03,3407.24 2898,3407.24
FUSED_CELL_7+ on Signal Layer 2 "FUSED_CELL_7+_L03_P176" (solid, pour order 176): 3171,3531.24 3172,3530.24 3426,3530.24 3426,3406.27 3425.03,3407.24 3171,3407.24
FUSED_CELL_6+ on Signal Layer 2 "FUSED_CELL_6+_L03_P174" (solid, pour order 174): 3446,3531.24 3447,3530.24 3701,3530.24 3701,3406.27 3700.03,3407.24 3446,3407.24
FUSED_CELL_5+ on Signal Layer 2 "FUSED_CELL_5+_L03_P172" (solid, pour order 172): 3720,3531.24 3721,3530.24 3975,3530.24 3975,3406.27 3974.03,3407.24 3720,3407.24
FUSED_CELL_4+ on Signal Layer 2 "FUSED_CELL_4+_L03_P170" (solid, pour order 170): 3995,3531.24 3996,3530.24 4250,3530.24 4250,3406.27 4249.03,3407.24 3995,3407.24
FUSED_CELL_3+ on Signal Layer 2 "FUSED_CELL_3+_L03_P168" (solid, pour order 168): 4271,3531.24 4272,3530.24 4526,3530.24 4526,3406.27 4525.03,3407.24 4271,3407.24
FUSED_CELL_2+ on Signal Layer 2 "FUSED_CELL_2+_L03_P166" (solid, pour order 166): 4546,3531.24 4547,3530.24 4801,3530.24 4801,3406.27 4800.03,3407.24 4546,3407.24
FUSED_CELL_1+ on Signal Layer 2 "FUSED_CELL_1+_L03_P164" (solid, pour order 164): 4822,3531.24 4823,3530.24 5077,3530.24 5077,3406.27 5076.03,3407.24 4822,3407.24
FUSED_CELL_0+ on Signal Layer 2 "FUSED_CELL_0+_L03_P162" (solid, pour order 162): 5097,3531.24 5098,3530.24 5352,3530.24 5352,3406.27 5351.03,3407.24 5097,3407.24
FUSED_CELL_0- on Signal Layer 2 "FUSED_CELL_0-_L03_P160" (solid, pour order 160): 5370,3531.24 5371,3530.24 5625,3530.24 5625,3406.27 5624.03,3407.24 5370,3407.24
FUSED_CELL_0- on Signal Layer 2 "FUSED_CELL_0-_L03_P158" (solid, pour order 158): 5371,3334 5372,3333 5626,3333 5626,3209.03 5625.03,3210 5371,3210
FUSED_CELL_0+ on Signal Layer 2 "FUSED_CELL_0+_L03_P156" (solid, pour order 156): 5098,3334 5099,3333 5353,3333 5353,3209.03 5352.03,3210 5098,3210
FUSED_CELL_1+ on Signal Layer 2 "FUSED_CELL_1+_L03_P154" (solid, pour order 154): 4823,3334 4824,3333 5078,3333 5078,3209.03 5077.03,3210 4823,3210
FUSED_CELL_2+ on Signal Layer 2 "FUSED_CELL_2+_L03_P152" (solid, pour order 152): 4547,3334 4548,3333 4802,3333 4802,3209.03 4801.03,3210 4547,3210
FUSED_CELL_3+ on Signal Layer 2 "FUSED_CELL_3+_L03_P150" (solid, pour order 150): 4272,3334 4273,3333 4527,3333 4527,3209.03 4526.03,3210 4272,3210
FUSED_CELL_4+ on Signal Layer 2 "FUSED_CELL_4+_L03_P148" (solid, pour order 148): 3996,3334 3997,3333 4251,3333 4251,3209.03 4250.03,3210 3996,3210
FUSED_CELL_5+ on Signal Layer 2 "FUSED_CELL_5+_L03_P146" (solid, pour order 146): 3721,3334 3722,3333 3976,3333 3976,3209.03 3975.03,3210 3721,3210
FUSED_CELL_6+ on Signal Layer 2 "FUSED_CELL_6+_L03_P144" (solid, pour order 144): 3447,3334 3448,3333 3702,3333 3702,3209.03 3701.03,3210 3447,3210
FUSED_CELL_7+ on Signal Layer 2 "FUSED_CELL_7+_L03_P142" (solid, pour order 142): 3172,3334 3173,3333 3427,3333 3427,3209.03 3426.03,3210 3172,3210
FUSED_CELL_8+ on Signal Layer 2 "FUSED_CELL_8+_L03_P140" (solid, pour order 140): 2899,3334 2900,3333 3154,3333 3154,3209.03 3153.03,3210 2899,3210
FUSED_CELL_9+ on Signal Layer 2 "FUSED_CELL_9+_L03_P138" (solid, pour order 138): 2623,3334 2624,3333 2878,3333 2878,3209.03 2877.03,3210 2623,3210
FUSED_CELL_10+ on Signal Layer 2 "FUSED_CELL_10+_L03_P136" (solid, pour order 136): 2347,3334 2348,3333 2602,3333 2602,3209.03 2601.03,3210 2347,3210
EXT_DC_IN- on Signal Layer 3 "Signal Layer 3-EXT_DC_IN-" (solid, pour order 328): 397,3165 545,3165 545,2959 544,2960 397,2960
CELL10_FEEDBACK+ on Signal Layer 3 "CELL10_FEEDBACK+_L04_P302" (solid, remove dead copper, pour order 302): 2622,3161 2623,3160 2877,3160 2877,2834.35 2622,2834.35
CELL4_FEEDBACK+ on Signal Layer 3 "CELL4_FEEDBACK+_L04_P290" (solid, remove dead copper, pour order 290): 4271,3161 4272,3160 4526,3160 4526,2834.35 4271,2834.35
CELL3_FEEDBACK+ on Signal Layer 3 "CELL3_FEEDBACK+_L04_P288" (solid, remove dead copper, pour order 288): 4546,3161 4547,3160 4801,3160 4801,2834.35 4546,2834.35
CELL2_FEEDBACK+ on Signal Layer 3 "CELL2_FEEDBACK+_L04_P286" (solid, remove dead copper, pour order 286): 4822,3161 4823,3160 5077,3160 5077,2834.35 4822,2834.35
CELL1_FEEDBACK+ on Signal Layer 3 "CELL1_FEEDBACK+_L04_P284" (solid, remove dead copper, pour order 284): 5097,3161 5098,3160 5352,3160 5352,2834.35 5097,2834.35
CELL0_FEEDBACK+ on Signal Layer 3 "CELL0_FEEDBACK+_L04_P282" (solid, remove dead copper, pour order 282): 5370,3161 5371,3160 5625,3160 5625,2834.35 5370,2834.35
CELL5_FEEDBACK+ on Signal Layer 3 "CELL5_FEEDBACK+_L04_P292" (solid, remove dead copper, pour order 292): 3995,3161 3996,3160 4250,3160 4250,2834.35 3995,2834.35
CELL6_FEEDBACK+ on Signal Layer 3 "CELL6_FEEDBACK+_L04_P294" (solid, remove dead copper, pour order 294): 3720,3161 3721,3160 3975,3160 3975,2834.35 3720,2834.35
CELL7_FEEDBACK+ on Signal Layer 3 "CELL7_FEEDBACK+_L04_P296" (solid, remove dead copper, pour order 296): 3446,3161 3447,3160 3701,3160 3701,2834.35 3446,2834.35
CELL8_FEEDBACK+ on Signal Layer 3 "CELL8_FEEDBACK+_L04_P298" (solid, remove dead copper, pour order 298): 3171,3161 3172,3160 3426,3160 3426,2834.35 3171,2834.35
CELL9_FEEDBACK+ on Signal Layer 3 "CELL9_FEEDBACK+_L04_P300" (solid, remove dead copper, pour order 300): 2898,3161 2899,3160 3153,3160 3153,2834.35 2898,2834.35
CELL10_FEEDBACK+ on Signal Layer 3 "CELL10_FEEDBACK+_L04_P326" (solid, remove dead copper, pour order 326): 2622,3916 2623,3915 2877,3915 2877,3589.35 2622,3589.35
CELL9_FEEDBACK+ on Signal Layer 3 "CELL9_FEEDBACK+_L04_P324" (solid, remove dead copper, pour order 324): 2898,3916 2899,3915 3153,3915 3153,3589.35 2898,3589.35
CELL8_FEEDBACK+ on Signal Layer 3 "CELL8_FEEDBACK+_L04_P322" (solid, remove dead copper, pour order 322): 3171,3916 3172,3915 3426,3915 3426,3589.35 3171,3589.35
CELL7_FEEDBACK+ on Signal Layer 3 "CELL7_FEEDBACK+_L04_P320" (solid, remove dead copper, pour order 320): 3446,3916 3447,3915 3701,3915 3701,3589.35 3446,3589.35
CELL6_FEEDBACK+ on Signal Layer 3 "CELL6_FEEDBACK+_L04_P318" (solid, remove dead copper, pour order 318): 3720,3916 3721,3915 3975,3915 3975,3589.35 3720,3589.35
CELL5_FEEDBACK+ on Signal Layer 3 "CELL5_FEEDBACK+_L04_P316" (solid, remove dead copper, pour order 316): 3995,3916 3996,3915 4250,3915 4250,3589.35 3995,3589.35
CELL4_FEEDBACK+ on Signal Layer 3 "CELL4_FEEDBACK+_L04_P314" (solid, remove dead copper, pour order 314): 4271,3916 4272,3915 4526,3915 4526,3589.35 4271,3589.35
CELL3_FEEDBACK+ on Signal Layer 3 "CELL3_FEEDBACK+_L04_P312" (solid, remove dead copper, pour order 312): 4546,3916 4547,3915 4801,3915 4801,3589.35 4546,3589.35
CELL2_FEEDBACK+ on Signal Layer 3 "CELL2_FEEDBACK+_L04_P310" (solid, remove dead copper, pour order 310): 4822,3916 4823,3915 5077,3915 5077,3589.35 4822,3589.35
CELL1_FEEDBACK+ on Signal Layer 3 "CELL1_FEEDBACK+_L04_P308" (solid, remove dead copper, pour order 308): 5097,3916 5098,3915 5352,3915 5352,3589.35 5097,3589.35
CELL0_FEEDBACK+ on Signal Layer 3 "CELL0_FEEDBACK+_L04_P306" (solid, remove dead copper, pour order 306): 5370,3916 5371,3915 5625,3915 5625,3589.35 5370,3589.35
CELL11_FEEDBACK+ on Signal Layer 3 "CELL11_FEEDBACK+_L04_P304" (solid, remove dead copper, pour order 304): 2346,3916 2347,3915 2601,3915 2601,3589.35 2346,3589.35
CELL11_FEEDBACK+ on Signal Layer 3 "CELL11_FEEDBACK+_L04_P280" (solid, remove dead copper, pour order 280): 2346,3161 2347,3160 2601,3160 2601,2834.35 2346,2834.35
FUSED_CELL_10+ on Signal Layer 3 "FUSED_CELL_10+_L04_P232" (solid, remove dead copper, pour order 232): 2347,3531.65 2348,3530.65 2602,3530.65 2602,3205 2347,3205
FUSED_CELL_0- on Signal Layer 3 "FUSED_CELL_0-_L04_P254" (solid, remove dead copper, pour order 254): 5371,3531.65 5372,3530.65 5626,3530.65 5626,3205 5371,3205
FUSED_CELL_0+ on Signal Layer 3 "FUSED_CELL_0+_L04_P252" (solid, remove dead copper, pour order 252): 5098,3531.65 5099,3530.65 5353,3530.65 5353,3205 5098,3205
FUSED_CELL_1+ on Signal Layer 3 "FUSED_CELL_1+_L04_P250" (solid, remove dead copper, pour order 250): 4823,3531.65 4824,3530.65 5078,3530.65 5078,3205 4823,3205
FUSED_CELL_2+ on Signal Layer 3 "FUSED_CELL_2+_L04_P248" (solid, remove dead copper, pour order 248): 4547,3531.65 4548,3530.65 4802,3530.65 4802,3205 4547,3205
FUSED_CELL_3+ on Signal Layer 3 "FUSED_CELL_3+_L04_P246" (solid, remove dead copper, pour order 246): 4272,3531.65 4273,3530.65 4527,3530.65 4527,3205 4272,3205
FUSED_CELL_4+ on Signal Layer 3 "FUSED_CELL_4+_L04_P244" (solid, remove dead copper, pour order 244): 3996,3531.65 3997,3530.65 4251,3530.65 4251,3205 3996,3205
FUSED_CELL_5+ on Signal Layer 3 "FUSED_CELL_5+_L04_P242" (solid, remove dead copper, pour order 242): 3721,3531.65 3722,3530.65 3976,3530.65 3976,3205 3721,3205
FUSED_CELL_6+ on Signal Layer 3 "FUSED_CELL_6+_L04_P240" (solid, remove dead copper, pour order 240): 3447,3531.65 3448,3530.65 3702,3530.65 3702,3205 3447,3205
FUSED_CELL_7+ on Signal Layer 3 "FUSED_CELL_7+_L04_P238" (solid, remove dead copper, pour order 238): 3172,3531.65 3173,3530.65 3427,3530.65 3427,3205 3172,3205
FUSED_CELL_8+ on Signal Layer 3 "FUSED_CELL_8+_L04_P236" (solid, remove dead copper, pour order 236): 2899,3531.65 2900,3530.65 3154,3530.65 3154,3205 2899,3205
FUSED_CELL_9+ on Signal Layer 3 "FUSED_CELL_9+_L04_P234" (solid, remove dead copper, pour order 234): 2623,3531.65 2624,3530.65 2878,3530.65 2878,3205 2623,3205
FUSED_VBAT- on FUSED_VBAT- "Polygon_1_Net_FUSED_VBAT-" (solid, remove dead copper, pour order 131): 6302.21,3940.01 1593.76,3940.5 ccw(c1593.65,3887.6) 1540.75,3887.49 1540.75,2850 cw(c1493.75,2850) 1493.75,2803 1056.72,2802.51 250,2803 ccw(c250,2750) 197,2750 197,1037.5 ccw(c250,1037.5) 250,984.5 2049.9,984.5 cw(c2057.87,932.75) 2109,944 2109,39.37 ccw(c2151.92,39.92) 2151.37,-3 6302.21,-3

## Keep-outs
Keep-Out Layer:
  circle w3.94: c6102.36,3740.16 r157.48
  region: 185,3555 185,380 0,380 0,3555
  region: 6299.21,3555 6299.21,360 6130,360 6130,3555
  region: 5930,3937.01 5930,3740.16 443.75,3740.16 443.75,3937.01
  lines w6: 0,39.37 ccw(c39.37,39.37) 39.37,0 6259.84,0 ccw(c6259.84,39.37) 6299.21,39.37 6299.21,3897.64 ccw(c6259.84,3897.64) 6259.84,3937.01 39.37,3937.01 ccw(c39.37,3897.64) 0,3897.64 0,39.37

## Other copper
Top Copper:
FUSED_VBAT-:
  pour cut-out: 2345,3335 5630,3335 5630,3210 2345,3210
  pour cut-out: 2345,3540 5630,3540 5630,3415 2345,3415
  pour cut-out: 2346.21,3060 5627.21,3060 5627.21,2890 2346.21,2890
  pour cut-out: 2346.21,3855 5627.21,3855 5627.21,3685 2346.21,3685

## Silkscreen, mask and mechanical layers (free items; w line width, h text height)
Top Overlay:
  drawing of 92 lines, arcs and shapes, not listed
  text "galvanic    isolation" at 1164.35,3793.75 h40
  text "Passive Cell / Balancing" at 5770,3216.25 h60 r90
  text "foxBMS.org" at 143.75,2900 h120 r90
  text "Fraunhofer IISB / foxBMS Slave 12-Cell v'.GlobalVersion'" at 5950,2862.5 h50 r90
  text "isolating / DC/DC Converter" at 921.25,2750 h60
  text "VREF2_1" at 3669.08,2585 h50
  text "VREF1_1" at 3669.08,2533.33 h50
  text "Primary LTC6811" at 5151.25,2517.5 h60
  text "Secondary LTC6811" at 3086.71,2514.45 h60
  text "SDA_1" at 3696.06,2481.67 h50
  text "VREG_0" at 5553.97,2456.46 h50
  text "VBAT-" at 2905,2450 h50
  text "VREG_1" at 3450,2449.45 h50
  text "VBAT-" at 5000,2447.59 h50
  text "SCL_1" at 3698.53,2430 h50
  text "VREF2_0" at 5928.97,2381.46 h50
  text "VREF1_0" at 5928.97,2268.96 h50
  text "SDA_0" at 5928.97,2156.46 h50
  text "SCL_0" at 5935,2050 h50
  text "SECONDARY" at 1760,1950 h50
  text "PRIMARY" at 1786.32,1657.65 h50
  text "Extension / Pin Headers" at 142.5,1522.01 h60 r90
  text "isoSPI / Transformers" at 1370,1245 h60
  text "DC-" at 251.09,1131.25 h40 r90
  text "DC-" at 313.59,1131.25 h40 r90
  text "IN-" at 798.79,1131.25 h40 r90
  text "OUT-" at 736.29,1118.75 h40 r90
  text "Input Filter/Protection" at 6240,1100 h60 r90
  text "DC+" at 251.09,1006.25 h40 r90
  text "DC+" at 313.59,1006.25 h40 r90
  text "IN+" at 798.79,1006.25 h40 r90
  text "OUT+" at 736.29,981.25 h40 r90
  text "C_11+" at 5004.76,918.02 h50 r90
  text "C_10+" at 5079.76,918.02 h50 r90
  text "C_9+" at 5154.76,918.02 h50 r90
  text "C_8+" at 5229.76,918.02 h50 r90
  text "C_7+" at 5304.76,918.02 h50 r90
  text "C_6+" at 5379.76,918.02 h50 r90
  text "C_5+" at 5454.76,918.02 h50 r90
  text "C_4+" at 5529.76,918.02 h50 r90
  text "C_3+" at 5604.76,918.02 h50 r90
  text "C_2+" at 5679.76,918.02 h50 r90
  text "C_1+" at 5754.76,918.02 h50 r90
  text "C_0+" at 5829.76,918.02 h50 r90
  text "C_0-" at 5904.76,918.02 h50 r90
  text "VBAT+" at 4885,880 h50 r90
  text "VBAT-" at 6035,870 h50 r90
  text "Creative Commons / Attribution 4.0" at 150,762.5 h50 r90
  text "cell voltages" at 4710,555 h50 r90
  text "temp. sensors" at 4450,545 h50 r90
  text "Input Fuses" at 6241.25,525.14 h60 r90
  text "Fuse / 1.25 A" at 337.5,480.78 h50 r90
Bottom Overlay:
  lines w8: 30,1497.01 167.5,1497.01 167.5,1847.01 30,1847.01 30,1497.01 ; 443.75,477.22 443.75,927.22 543.75,927.22 543.75,477.22 443.75,477.22 ; 762.5,477.22 862.5,477.22 862.5,864.72 762.5,864.72 762.5,477.22 ; 1018.75,477.22 1118.75,477.22 1118.75,1102.22 1018.75,1102.22 1018.75,477.22 ; 1318.75,477.22 1418.75,477.22 1418.75,1052.22 1318.75,1052.22 1318.75,477.22 ; 1618.75,477.22 1718.75,477.22 1718.75,1027.22 1618.75,1027.22 1618.75,477.22 ; 1906.25,477.22 2006.25,477.22 2006.25,964.72 1906.25,964.72 1906.25,477.22 ; 2368.75,477.22 2368.75,639.72 2968.75,639.72 2968.75,477.22 2368.75,477.22 ; 3493.75,477.22 3493.75,639.72 4093.75,639.72 4093.75,477.22 3493.75,477.22 ; 4981.25,477.22 5306.25,477.22 5306.25,639.72 4981.25,639.72 4981.25,477.22
  text "Extension / Pin Headers" at 55,1521.52 h60 r270
  text "Temperature Sensors / Secondary" at 2943.75,503.39 h60
  text "Temperature Sensors / Primary" at 4068.75,503.39 h60
  text "DC Supply OUT" at 481.25,502.22 h60 r270
  text "DC Supply IN" at 800,502.22 h60 r270
  text "isoSPI OUT Secondary" at 1056.25,502.22 h60 r270
  text "isoSPI IN Secondary" at 1356.25,502.22 h60 r270
  text "isoSPI OUT Primary" at 1656.25,502.22 h60 r270
  text "isoSPI IN Primary" at 1943.75,502.22 h60 r270
  text "Cell Sense / Inputs" at 5281.25,502.22 h60
Top Solder:
Dimension:
  the board outline again, w6

## Text inside footprints (layer, text, board x,y; h text height)
Designator28: Top Copper "1" at 2043.75,3874.5 h40; FUSED_VBAT- "2" at 2091.75,3874.5 h40; Signal Layer 2 "3" at 2141.75,3874.5 h40; Signal Layer 3 "4" at 2209.25,3874.5 h40; VREG "5" at 2258.25,3874.5 h40; Bot Copper "6" at 2308.25,3874.5 h40